# Altium PCB waffling60-MXHS-ANSI.PcbDoc (part 3 of 3)
Units mm, origin at the board's own origin, x right, y up, seen from the top; angles counter-clockwise.
Board outline 284.73 x 94.2 mm, 2 copper layers (Component Side, Bottom Layer), stack 1.571 mm thick; 191 components, 129 nets, 1572 pads, 212 vias.
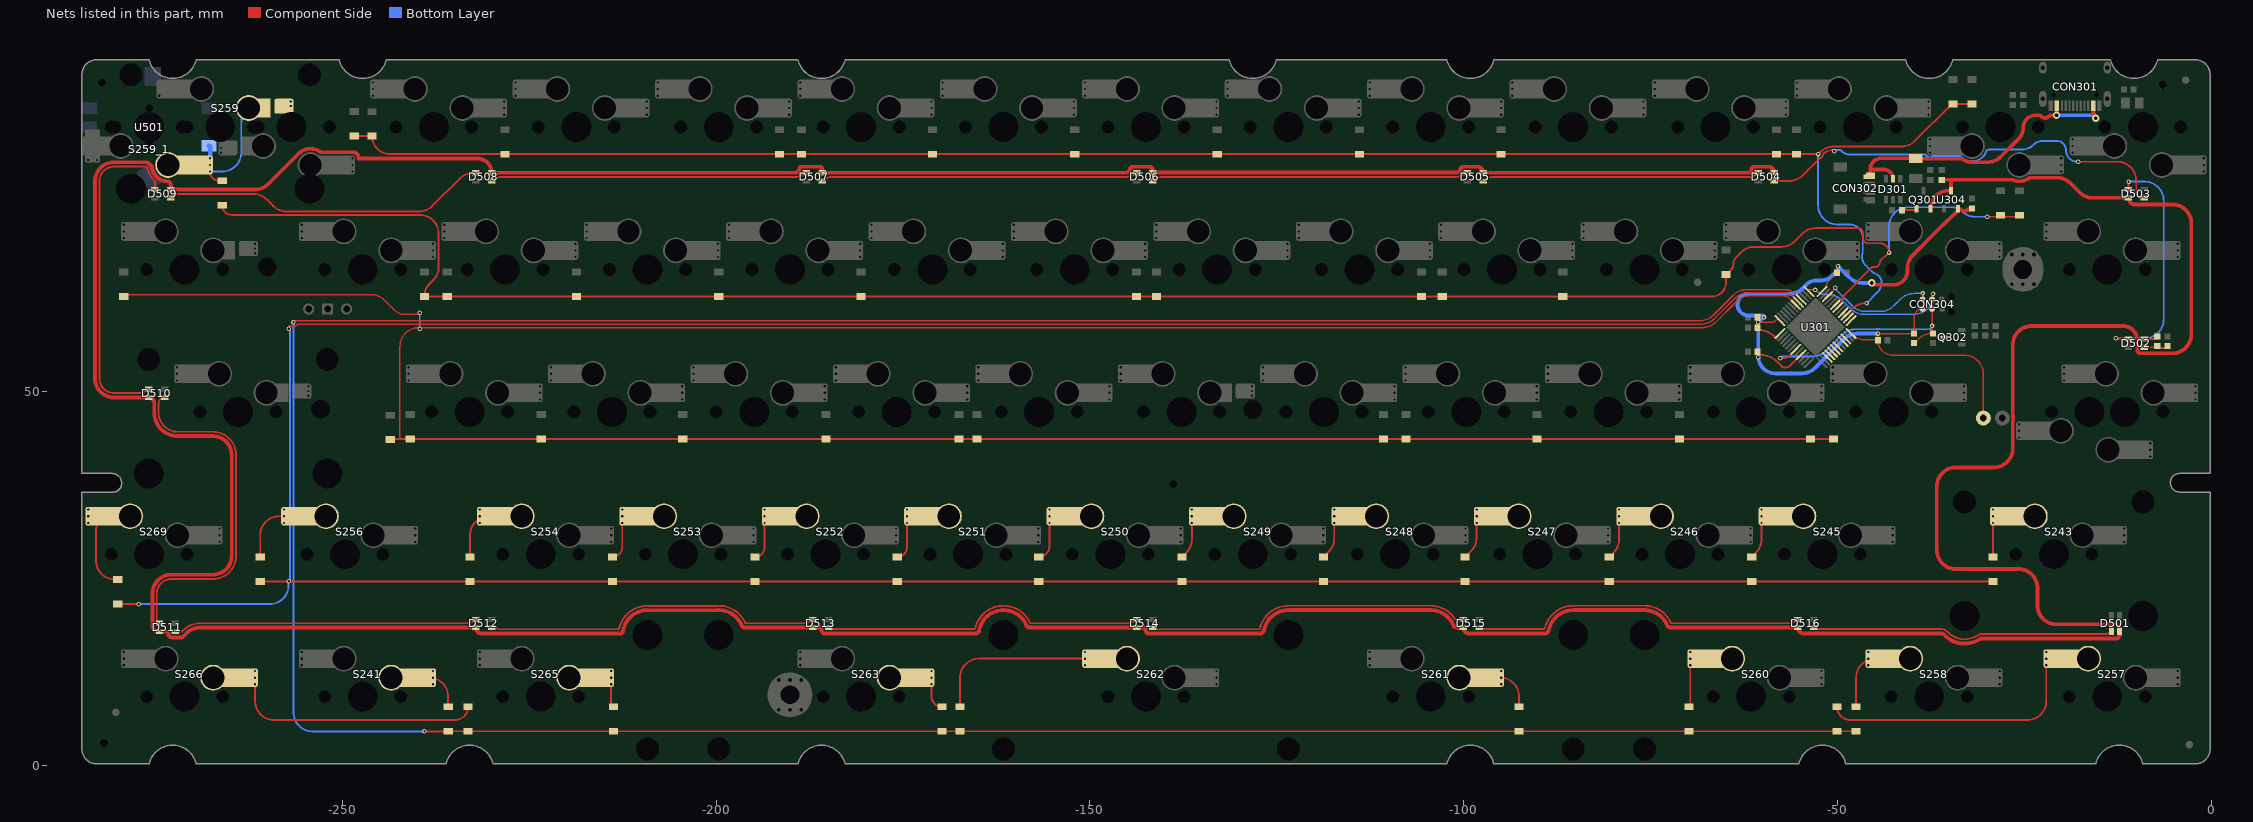
[diagram p3: the nets of this part, all layers, seen from the top]

## Via types
v1: diameter 0.6, hole 0.3, Component Side to Bottom Layer, tented both sides, 182 vias
v2: diameter 0.6, hole 0.3, Component Side to Bottom Layer, tented bottom, 25 vias
v3: diameter 1, hole 0.5, Component Side to Bottom Layer, tented both sides, 5 vias

## Nets (pads, with @x,y where several pads share a name; then routed paths per layer and width w, separated by ;. In a path a pad name is that pad's centre, name@x,y a point inside that pad or via, vN(x,y) a via of type N, cw(c..) or ccw(c..) an arc to the next point about the centre after c; other vN are vias at no path point) (continued)
NetD243_1: D243.1 S243.1 | length 6.3
  Component Side w0.254: D243.1@-29.206,27.9 S243.1@-29.206,32.456
  Bottom Layer w0.6: S243.1@-29.206,32.456 S243.1@-29.206,33.345 S243.1@-29.206,34.234
NetD245_1: D245.1 S245.1 | length 6.8
  Component Side w0.254: D245.1@-61.468,27.9 -60.906,28.462 ccw(c-62.702,30.258) -60.162,30.258 S245.1@-60.162,32.456
  Bottom Layer w0.6: S245.1@-60.162,32.456 S245.1@-60.162,33.345 S245.1@-60.162,34.234
NetD246_1: D246.1 S246.1 | length 6.8
  Component Side w0.254: D246.1@-80.518,27.9 -79.956,28.462 ccw(c-81.752,30.258) -79.212,30.258 S246.1@-79.212,32.456
  Bottom Layer w0.6: S246.1@-79.212,32.456 S246.1@-79.212,33.345 S246.1@-79.212,34.234
NetD247_1: D247.1 S247.1 | length 6.9
  Component Side w0.254: D247.1@-99.822,27.9 -99.006,28.716 ccw(c-100.802,30.512) -98.262,30.512 S247.1@-98.262,32.456
  Bottom Layer w0.6: S247.1@-98.262,32.456 S247.1@-98.262,33.345 S247.1@-98.262,34.234
NetD248_1: D248.1 S248.1 | length 6.8
  Component Side w0.254: D248.1@-118.745,27.9 -118.056,28.589 ccw(c-119.852,30.385) -117.312,30.385 S248.1@-117.312,32.456
  Bottom Layer w0.6: S248.1@-117.312,32.456 S248.1@-117.312,33.345 S248.1@-117.312,34.234
NetD249_1: D249.1 S249.1 | length 6.8
  Component Side w0.254: D249.1@-137.668,27.9 -137.106,28.462 ccw(c-138.902,30.258) -136.362,30.258 S249.1@-136.362,32.456
  Bottom Layer w0.6: S249.1@-136.362,32.456 S249.1@-136.362,33.345 S249.1@-136.362,34.234
NetD250_1: D250.1 S250.1 | length 7.9
  Component Side w0.254: D250.1@-156.845,27.9 ccw(c-156.845,29.333) -155.412,29.333 S250.1@-155.412,32.456 ; S250.1@-154.305,33.345 S250.1@-153.552,33.345
  Bottom Layer w0.6: S250.1@-155.412,32.456 S250.1@-155.412,33.345 S250.1@-155.412,34.234
NetD251_1: D251.1 S251.1 | length 7.7
  Component Side w0.254: D251.1@-175.768,27.9 ccw(c-175.768,29.206) -174.462,29.206 S251.1@-174.462,32.456 ; S251.1@-173.228,33.345 S251.1@-172.602,33.345
  Bottom Layer w0.6: S251.1@-174.462,32.456 S251.1@-174.462,33.345 S251.1@-174.462,34.234
NetD252_1: D252.1 S252.1 | length 7.7
  Component Side w0.254: D252.1@-194.818,27.9 ccw(c-194.818,29.206) -193.512,29.206 S252.1@-193.512,32.456 ; S252.1@-192.278,33.345 S252.1@-191.652,33.345
  Bottom Layer w0.6: S252.1@-193.512,32.456 S252.1@-193.512,33.345 S252.1@-193.512,34.234
NetD253_1: D253.1 S253.1 | length 7.7
  Component Side w0.254: D253.1@-213.868,27.9 ccw(c-213.868,29.206) -212.562,29.206 S253.1@-212.562,32.456 ; S253.1@-211.328,33.345 S253.1@-210.702,33.345
  Bottom Layer w0.6: S253.1@-212.562,32.456 S253.1@-212.562,33.345 S253.1@-212.562,34.234
NetD254_1: D254.1 S254.1 | length 9.3
  Component Side w0.254: D254.1@-232.918,27.9 -232.918,30.805 cw(c-230.378,30.805) -230.378,33.345 S254.1@-229.752,33.345
  Bottom Layer w0.6: S254.1@-231.612,32.456 S254.1@-231.612,33.345 S254.1@-231.612,34.234
NetD255_1: D255.1 S256.1 | length 11.2
  Component Side w0.254: D255.1@-260.985,27.9 -260.985,30.805 cw(c-258.445,30.805) -258.445,33.345 S256.1@-255.945,33.345
  Bottom Layer w0.6: S256.1@-257.805,32.456 S256.1@-257.805,33.345 S256.1@-257.805,34.234
NetD256_1: D256.1 S269.1 | length 11.9
  Component Side w0.254: S269.1@-282.14,33.345 -282.212,33.273 ccw(c-280.416,31.477) -282.956,31.477 -282.956,27.432 ccw(c-280.416,27.432) D256.1@-280.416,24.892
  Bottom Layer w0.6: S269.1@-284,32.456 S269.1@-284,33.345 S269.1@-284,34.234
NetD257_1: D257.1 S257.2 | length 37
  Component Side w0.254: D257.1@-50.038,7.85 ccw(c-48.284,7.85) -48.284,6.096 -24.602,6.096 ccw(c-24.602,8.636) -22.062,8.636 S257.2@-22.062,13.406
  Bottom Layer w0.6: S257.2@-22.062,13.406 S257.2@-22.062,14.295 S257.2@-22.062,15.184
NetD258_1: D258.1 S258.1 | length 10.6
  Component Side w0.254: D258.1@-47.498,7.85 -47.498,11.755 cw(c-44.958,11.755) -44.958,14.295 S258.1@-44.014,14.295
  Bottom Layer w0.6: S258.1@-45.874,13.406 S258.1@-45.874,14.295 S258.1@-45.874,15.184
NetD260_1: D260.1 S260.1 | length 7.4
  Component Side w0.203: D260.1@-69.85,7.85 ccw(c-69.85,8.013) -69.687,8.013 -69.687,12.115 S260.1@-69.687,13.406
  Bottom Layer w0.6: S260.1@-69.687,13.406 S260.1@-69.687,14.295 S260.1@-69.687,15.184
NetD261_1: D261.1 S261.1 | length 8.8
  Component Side w0.254: S261.1@-96.839,11.755 -95.123,11.755 cw(c-95.123,9.215) -92.583,9.215 D261.1@-92.583,7.85
  Bottom Layer w0.6: S261.1@-94.979,10.866 S261.1@-94.979,11.755 S261.1@-94.979,12.644
NetD262_1: D262.1 S262.2 | length 25.7
  Component Side w0.254: D262.1@-167.386,7.858 -167.386,11.755 cw(c-164.846,11.755) -164.846,14.295 S262.2@-148.789,14.295
  Bottom Layer w0.6: S262.2@-150.649,13.406 S262.2@-150.649,14.295 S262.2@-150.649,15.184
NetD263_1: D263.1 S263.1 | length 6.3
  Component Side w0.254: S263.1@-173.039,11.755 S263.1@-172.339,11.755 ; S263.1@-171.179,10.866 -171.179,9.23 ccw(c-169.799,9.23) D263.1@-169.799,7.85
  Bottom Layer w0.6: S263.1@-171.179,10.866 S263.1@-171.179,11.755 S263.1@-171.179,12.644
NetD264_1: D264.1 S265.1 | length 5
  Component Side w0.254: S265.1@-214.042,10.866 -214.042,9.741 -214.042,8.151 ccw(c-213.741,8.151) D264.1@-213.741,7.85
  Bottom Layer w0.6: S265.1@-214.042,10.866 S265.1@-214.042,11.755 S265.1@-214.042,12.644
NetD265_1: D265.1 S241.2 | length 8.5
  Component Side w0.254: S241.2@-239.714,11.755 -238.379,11.755 cw(c-238.379,9.215) -235.839,9.215 D265.1@-235.839,7.85
  Bottom Layer w0.6: S241.2@-237.854,10.866 S241.2@-237.854,11.755 S241.2@-237.854,12.644
NetD266_1: D266.1 S266.1 | length 35
  Component Side w0.254: S266.1@-261.667,10.866 -261.667,8.636 ccw(c-259.127,8.636) -259.127,6.096 -234.926,6.096 ccw(c-234.926,7.85) D266.1@-233.172,7.85
  Bottom Layer w0.6: S266.1@-261.667,10.866 S266.1@-261.667,11.755 S266.1@-261.667,12.644
NetD501_4: D501.4 D516.2 | length 40.5
  Component Side w0.254: D516.2@-53.158,18.45 ccw(c-51.54,20.068) -52.899,18.227 -52.676,18.227 cw(c-52.525,17.666) -52.523,18.247 -36.092,18.247 ; -36.091,18.247 cw(c-36.092,17.158) -35.293,17.899 cw(c-35.719,17.503) -35.292,17.897 ; -35.291,17.897 cw(c-36.092,17.158) -35.291,17.896 ccw(c-32.994,20.01) -33.117,16.891 -32.872,16.891 ccw(c-32.994,20.01) -31.28,17.401 cw(c-30.679,16.493) -30.683,17.582 cw(c-30.681,17.001) -30.681,17.582 -14.208,17.582 ccw(c-14.208,18.787) D501.4@-13.356,17.935
NetD502_2: D502.2 D503.4 | length 32.7
  Component Side w0.254: v1@-12.827,57.023 cw(c-12.762,56.958) -12.762,57.05 D502.2@-11.071,57.05 ; D503.4@-11.071,77.05 -11.071,78.083 v1(-11.049,78.105)
  Bottom Layer w0.254: v1(-12.771,57.15) -8.89,57.15 ccw(c-8.89,59.69) -6.35,59.69 -6.35,75.565 ccw(c-8.89,75.565) -8.89,78.105 v1(-11.049,78.105)
NetD502_4: D502.4 R306.2 R308.1 | length 3.1
  Component Side w0.254: D502.4@-8.941,55.95 -7.324,55.95 cw(c-7.324,55.865) -7.239,55.865 R308.1@-5.842,55.865
NetD503_2: D503.2 D504.4 | length 59.9
  Component Side w0.254: D504.4@-58.441,78.2 -56.456,78.2 ccw(c-56.456,80.74) -54.66,78.944 -52.424,81.18 ccw(c-52.578,81.788) -51.951,81.772 cw(c-50.51,80.264) v1@-50.51,82.35 ; v1@-18.034,80.772 v1(-17.78,80.772) -12.573,80.772 cw(c-12.573,78.232) -10.033,78.232 -10.033,76.581 ccw(c-9.402,76.581) -9.402,75.95 D503.2@-8.941,75.95
  Bottom Layer w0.254: v1@-50.339,82.343 -49.596,82.343 ; -32,80.823 ccw(c-32.01,82.875) -31.533,80.879 ; v1(-17.78,80.772) -17.907,80.772 cw(c-17.907,82.296) -19.431,82.296 ccw(c-20.701,82.296) -20.701,83.566 -22.523,83.566 ccw(c-22.523,81.832) -23.749,83.058 cw(c-25.369,84.678) -25.369,82.387 -25.647,82.387 ccw(c-25.66,80.335) -25.673,82.387 -29.595,82.387 ccw(c-29.595,80.776) -30.033,82.326 cw(c-32.01,82.875) -30.457,81.534 cw(c-32.01,82.875) -31.533,80.879 ; -49.596,82.343 cw(c-50.682,81.017) -49.529,82.285 ; -49.596,82.343 cw(c-50.682,81.017) -49.529,82.285 ; -49.529,82.285 cw(c-50.682,81.017) -49.471,82.23 ; -49.529,82.285 cw(c-50.682,81.017) -49.471,82.23 ; -49.471,82.23 ccw(c-48.229,83.47) -49.469,82.228 cw(c-48.229,83.47) -49.471,82.23 ; -49.289,82.071 cw(c-48.229,83.47) -49.469,82.228 ccw(c-48.229,83.47) -49.289,82.071 ; -49.289,82.071 ccw(c-48.229,83.47) -48.961,81.875 ; -49.289,82.071 ccw(c-48.229,83.47) -48.961,81.875 ; -48.961,81.875 ccw(c-48.229,83.47) -48.463,81.731 ; -48.961,81.875 ccw(c-48.229,83.47) -48.463,81.731 ; -48.463,81.731 ccw(c-48.229,83.47) -48.229,81.715 ; -48.463,81.731 ccw(c-48.229,83.47) -48.229,81.715 ; -48.229,81.715 -38.23,81.715 cw(c-38.23,81.531) -38.182,81.709 ccw(c-37.62,81.986) -37.209,81.512 ccw(c-37.62,81.986) -37.185,81.534 -33.563,81.534 ccw(c-32.01,82.875) -32.794,80.979 ccw(c-32.01,82.875) -32.283,80.841 ccw(c-32.01,82.875) -32.056,80.824 ccw(c-32.01,82.875) -31.533,80.879
  other v1: -50.419,82.169
NetD504_2: D504.2 D505.4 | length 37.1
  Component Side w0.254: D505.4@-97.374,78.222 ccw(c-96.833,78.2) D505.4@-97.374,78.2 cw(c-96.121,76.947) -96.121,78.719 -61.974,78.719 ccw(c-61.974,80.703) D504.2@-60.571,79.3
NetD505_2: D505.2 D506.4 | length 42.6
  Component Side w0.254: D506.4@-141.591,78.222 cw(c-140.338,76.969) -140.338,78.741 -100.995,78.741 ccw(c-100.995,79.969) -100.625,78.798 ccw(c-100.953,79.837) -100.06,79.213 cw(c-99.852,79.068) -99.85,79.322 -99.505,79.322 cw(c-100.605,79.322) D505.2@-99.527,79.102
NetD506_2: D506.2 D507.4 | length 42.4
  Component Side w0.254: D507.4@-185.808,78.2 cw(c-184.555,76.947) -184.555,78.719 -145.242,78.719 -145.17,78.719 ccw(c-145.17,79.808) -145.168,78.719 ccw(c-145.17,79.808) -144.207,79.3 D506.2@-143.721,79.3
NetD507_2: D507.2 D508.4 | length 43
  Component Side w0.254: D508.4@-229.774,78.43 ccw(c-228.178,76.454) -229.974,78.25 -230.023,78.201 cw(c-228.771,76.947) -228.771,78.719 -189.428,78.719 ccw(c-189.428,79.947) -189.058,78.776 ccw(c-189.386,79.815) -188.426,79.3 D507.2@-187.938,79.3 cw(c-189.038,79.322) D507.2@-187.96,79.102
NetD508_2: D508.2 D509.4 | length 44
  Component Side w0.254: D509.4@-272.538,75.95 D509.4@-272.935,75.95 cw(c-271.682,74.697) -272.156,76.404 cw(c-271.682,74.697) -271.682,76.469 -261.925,76.469 cw(c-261.925,73.929) -260.129,75.725 -259.262,74.858 ccw(c-257.466,76.654) -257.466,74.114 -239.739,74.114 ccw(c-239.739,76.654) -237.943,74.858 -234.245,78.556 cw(c-232.449,76.76) -232.449,79.3 D508.2@-232.154,79.3
NetD509_2: D509.2 D510.4 | length 45.2
  Component Side w0.254: D510.4@-275.899,50.334 -276.31,50.334 ccw(c-276.31,50.165) -276.479,50.165 cw(c-276.829,50.165) -276.829,49.815 -280.543,49.815 cw(c-280.543,51.774) -282.502,51.774 -282.502,78.16 cw(c-280.543,78.16) -282.16,79.265 cw(c-280.543,78.16) -281.953,79.519 cw(c-280.543,78.16) -281.777,79.682 cw(c-280.543,78.16) -281.652,79.775 cw(c-280.543,78.16) -281.21,80.002 cw(c-280.543,78.16) -281.176,80.014 cw(c-280.543,78.16) -280.956,80.075 cw(c-280.543,78.16) -280.742,80.109 cw(c-280.543,78.16) -280.543,80.119 -279.806,80.119 ccw(c-279.66,82.875) -279.514,80.119 -276.469,80.119 cw(c-276.469,79.587) -276.293,80.089 cw(c-276.469,79.587) -276.161,80.02 cw(c-276.469,79.587) -276.056,79.922 cw(c-276.469,79.587) -276.034,79.893 ccw(c-273.31,80.335) -275.804,79.153 ccw(c-273.31,80.335) -275.705,78.964 ccw(c-273.31,80.335) -275.565,78.743 ; -275.565,78.743 ccw(c-273.31,80.335) -275.289,78.412 ccw(c-273.31,80.335) -275.216,78.339 ccw(c-273.31,80.335) -275.145,78.273 ccw(c-273.31,80.335) -275.076,78.214 ccw(c-273.31,80.335) -275.065,78.205 D509.2@-275.065,77.05
NetD510_2: D510.2 D511.4 | length 47.2
  Component Side w0.254: D511.4@-274.456,19.035 cw(c-274.456,19.408) -274.829,19.408 -274.829,22.986 cw(c-272.415,22.986) -274.829,22.996 cw(c-272.87,22.987) -272.87,24.946 -267.335,24.946 ccw(c-267.335,28.067) -264.214,28.067 -264.214,41.529 ccw(c-267.335,41.529) -267.335,44.65 -272.034,44.65 cw(c-272.034,47.19) -274.574,47.19 -274.574,48.429 cw(c-273.769,48.429) D510.2@-273.769,49.234
NetD511_2: D511.2 D512.4 | length 40.6
  Component Side w0.254: D511.2@-272.326,17.935 -271.431,17.935 -271.248,18.117 ; -271.248,18.118 cw(c-269.042,15.91) -269.042,19.031 -233.407,19.031 ccw(c-233.407,20.803) D512.4@-232.154,19.55
NetD512_2: D512.2 D513.4 | length 45.6
  Component Side w0.254: D512.2@-230.024,18.45 cw(c-230.024,16.323) -229.076,18.227 -213.126,18.227 ccw(c-213.126,18.435) -212.99,18.278 cw(c-209.174,17.47) -212.794,18.923 cw(c-209.174,17.47) -211.891,20.269 cw(c-209.174,17.47) -208.982,21.365 -199.842,21.365 cw(c-199.649,17.47) -199.649,21.37 cw(c-199.649,17.47) -196.075,19.031 -188.324,19.031 ccw(c-188.324,20.803) D513.4@-187.071,19.55
NetD513_2: D513.2 D514.4 | length 45.5
  Component Side w0.254: D513.2@-184.941,18.45 ccw(c-184.243,19.148) -184.711,18.279 -184.711,18.227 -184.459,18.227 cw(c-184.308,17.666) -184.306,18.247 -165.371,18.247 cw(c-161.549,17.47) -165.26,18.669 ; -164.496,20.025 ccw(c-161.549,17.47) -165.26,18.669 ; D514.4@-143.721,19.55 cw(c-144.974,20.803) -144.974,19.031 -157.975,19.031 ccw(c-161.549,17.47) -165.26,18.669
NetD514_2: D514.2 D515.4 | length 43.9
  Component Side w0.254: D514.2@-141.422,18.45 D514.2@-141.591,18.45 ccw(c-141.053,18.988) -141.053,18.227 -127.36,18.227 cw(c-127.209,17.666) -127.272,18.244 cw(c-123.449,17.47) -125.969,20.447 cw(c-123.449,17.47) -123.44,21.37 -104.44,21.37 ; D515.4@-100.071,19.55 -101.132,19.55 ccw(c-104.431,17.47) -104.28,21.367 ccw(c-104.301,20.787) -104.282,21.367 -104.303,21.368 -104.328,21.369 ccw(c-104.376,20.281) -104.376,21.37 -104.422,21.37 ; -104.44,21.37 cw(c-104.431,17.47) -104.422,21.37 ; -104.44,21.37 -104.422,21.37
NetD515_2: D515.2 D516.4 | length 45.3
  Component Side w0.254: D515.2@-97.941,18.45 cw(c-97.941,17.25) -97.273,18.247 -89.172,18.247 cw(c-85.349,17.47) -87.869,20.447 cw(c-85.349,17.47) -85.326,21.37 -83.82,21.37 -82.217,21.37 -80.614,21.37 cw(c-80.589,17.47) -80.566,21.37 -75.848,21.37 cw(c-75.824,17.47) -75.8,21.37 -75.752,21.37 cw(c-75.75,20.789) -75.75,21.37 cw(c-75.75,19.288) -75.744,21.37 cw(c-75.75,19.288) -75.574,21.363 -75.533,21.359 cw(c-75.824,17.47) -75.462,21.353 -75.42,21.35 ; -75.419,21.349 cw(c-75.603,19.276) -75.281,21.333 -75.23,21.325 cw(c-75.824,17.47) -72.25,19.031 -56.541,19.031 ccw(c-56.541,20.803) D516.4@-55.288,19.55
NetQ301_1: Q301.1 R307.1 | length 2.1
  Component Side w0.254: R307.1@-41.387,74.295 -39.628,74.295 ccw(c-39.628,74.492) Q301.1@-39.431,74.492
NRST: C310.1 CON304.3 Q302.3 R303.2 U301.7 | length 32.7
  Component Side w0.203: R303.2@-39.751,56.5 -39.726,56.5 -39.17,57.056 cw(c-37.374,55.26) -37.763,57.77 ; CON304.3@-37.338,61.087 v1(-37.338,58.801) -37.338,57.927 C310.1@-37.211,57.8 ; C310.1@-37.211,57.77 -37.763,57.77 ; Q302.3@-35.744,57.277 -35.948,57.277 cw(c-35.948,59.063) -37.18,57.77 cw(c-35.948,59.063) C310.1@-37.211,57.8 ; -37.763,57.77 cw(c-37.374,55.26) -37.374,57.8 C310.1@-37.211,57.8
  Component Side w0.254: v1(-57.658,54.483) -57.268,54.483 ccw(c-57.268,55.744) -56.376,54.852 U301.7@-55.743,55.486
  Bottom Layer w0.254: v1(-57.658,54.483) -57.404,54.737 -53.303,54.737 ccw(c-53.303,57.277) -51.507,55.481 -49.37,57.618 cw(c-47.574,55.822) -47.574,58.362 -44.868,58.362 ccw(c-44.87,58.616) -44.786,58.376 cw(c-44.577,57.785) -44.577,58.412 cw(c-44.577,57.785) -44.374,58.378 ccw(c-44.293,58.619) -44.294,58.365 -43.218,58.365 cw(c-43.218,58.111) -43.18,58.362 -37.777,58.362 ccw(c-37.777,58.801) v1(-37.338,58.801)
PA5: U301.15
PA6: U301.16
PA7: U301.17
PA9: D215.2 D216.2 D217.2 D218.2 D219.2 D220.2 D221.2 D222.2 D223.2 D224.2 D225.2 D226.2 D227.2 D228.2 U301.30 | length 276
  Component Side w0.254: D228.2@-266.065,74.946 ccw(c-264.779,74.946) -264.779,73.66 -239.649,73.66 cw(c-239.649,71.12) -237.109,71.12 -237.109,66.726 cw(c-239.649,66.726) -237.853,64.93 -238.076,64.708 cw(c-240.03,66.33) -238.234,64.534 -238.379,64.389 ccw(c-236.846,62.856) -238.38,64.388 ccw(c-236.846,62.856) -239.014,62.856 D227.2@-239.014,62.754 D226.2@-235.966,62.754 ; D226.2@-235.966,62.73 D225.2@-218.694,62.73 D224.2@-199.644,62.73 D223.2@-180.594,62.73 D222.2@-143.764,62.73 D221.2@-141.097,62.73 D220.2@-105.664,62.73 D219.2@-102.87,62.73 D218.2@-86.741,62.73 -66.813,62.73 ccw(c-66.813,64.646) -65.459,63.29 ccw(c-66.813,64.646) -65.458,63.291 ccw(c-66.813,64.646) -65.457,63.292 ccw(c-66.813,64.646) -64.897,64.646 D217.2@-64.897,65.675 -64.414,66.003 -64.525,66.003 cw(c-64.29,65.907) -64.471,66.085 -64.237,66.319 ccw(c-64.981,67.063) -63.929,67.063 cw(c-62.598,67.063) -63.539,68.004 -62.897,68.646 cw(c-61.101,66.85) -61.101,69.39 -57.52,69.39 ccw(c-57.52,71.93) -55.723,70.134 -54.719,71.138 cw(c-52.923,69.342) -52.923,71.882 -47.296,71.882 cw(c-47.296,71.163) -46.577,71.163 -46.577,70.508 ccw(c-45.938,70.508) -46.522,70.248 ccw(c-45.938,70.508) -46.401,70.067 ; U301.30@-49.365,61.853 -49.321,61.947 cw(c-49.091,61.84) -49.308,61.972 ccw(c-49.715,62.221) -49.28,62.416 cw(c-49.047,62.519) -49.301,62.518 -49.301,62.624 cw(c-49.047,62.624) -49.227,62.804 -45.386,66.645 cw(c-45.207,66.465) -45.136,66.709 ccw(c-44.958,67.31) -44.331,67.321 cw(c-44.077,67.324) -44.258,67.502 -43.205,68.555 cw(c-43.026,68.375) v1(-43.093,68.62) ; -46.522,70.247 ccw(c-45.938,70.508) -45.938,69.868 -44.341,69.868 cw(c-44.341,68.62) v1(-43.093,68.62) ; v1@-43.093,68.58 ccw(c-44.46,68.62) v1(-43.093,68.62) ; v1(-29.972,73.406) -25.867,73.406 D215.2@-25.654,73.619
  Bottom Layer w0.254: v1(-43.093,68.62) -43.093,72.136 cw(c-40.553,72.136) -40.553,74.676 -34.627,74.676 cw(c-34.627,72.942) -33.401,74.168 -33.383,74.15 ccw(c-31.587,75.946) -31.587,73.406 v1(-29.972,73.406)
PA10: U301.31
PB0: U301.18
PB1: U301.19
PB4: D257.2 D258.2 D260.2 D261.2 D262.2 D263.2 D264.2 D265.2 D266.2 U301.40 | length 466.3
  Component Side w0.203: v1(-256.54,59.309) cw(c-256.358,59.309) -256.358,59.491 -68.42,59.491 ccw(c-68.42,62.031) -66.623,60.235 -63.943,62.916 cw(c-62.147,61.12) -62.147,63.66 -56.98,63.66 cw(c-56.98,61.716) -55.605,63.091 U301.40@-55.036,62.522
  Component Side w0.254: v1@-239.014,4.572 v1(-239.014,4.578) D265.2@-235.837,4.578 ; D265.2@-235.839,4.58 D266.2@-233.172,4.58 D264.2@-213.741,4.58 D257.2@-50.038,4.58 D258.2@-47.498,4.58
  Bottom Layer w0.254: v1@-256.54,59.436 v1(-256.54,59.309) -256.54,7.112 ccw(c-254,7.112) -254,4.572 v1@-239.014,4.572
PB5: D243.2 D245.2 D246.2 D247.2 D248.2 D249.2 D250.2 D251.2 D252.2 D253.2 D254.2 D255.2 D256.2 U301.41 | length 494.7
  Component Side w0.203: v1(-257.167,58.42) -257.167,58.626 cw(c-256.964,58.625) -256.857,58.798 ccw(c-256.54,59.309) -256.686,58.725 ccw(c-256.602,58.911) -256.603,58.707 -256.54,58.707 ccw(c-256.54,59.309) -256.06,58.946 ccw(c-256.54,59.309) -256.054,58.955 cw(c-255.89,58.834) -256.011,58.998 cw(c-255.89,58.834) -255.891,59.037 -68.231,59.037 ccw(c-68.231,61.577) -66.435,59.781 -63.704,62.513 cw(c-61.908,60.717) -61.908,63.257 -57.249,63.257 cw(c-57.249,61.398) -55.934,62.712 U301.41@-55.389,62.168
  Component Side w0.254: D256.2@-280.035,21.606 -277.257,21.606 v1(-277.241,21.59) ; D255.2@-260.985,24.63 D254.2@-232.918,24.63 D253.2@-213.868,24.63 D252.2@-194.818,24.63 D251.2@-175.768,24.63 D250.2@-156.845,24.63 D249.2@-137.668,24.63 D248.2@-118.745,24.63 D247.2@-99.822,24.63 D246.2@-80.518,24.63 D245.2@-61.468,24.63 D243.2@-29.21,24.63
  Bottom Layer w0.254: v1(-277.241,21.59) -259.715,21.59 ccw(c-259.715,24.13) -257.175,24.13 v1(-257.175,24.638) ccw(c-257.175,24.819) -256.994,24.819 -256.994,58.179 ccw(c-257.248,58.179) v1(-257.167,58.42)
PB6: D229.2 D230.2 D231.2 D232.2 D233.2 D234.2 D235.2 D236.2 D237.2 D238.2 D239.2 D240.2 D241.2 D242.2 U301.42 | length 438.1
  Component Side w0.203: D242.2@-279.237,62.754 cw(c-278.662,62.179) -278.662,62.992 -246.162,62.992 cw(c-246.162,60.452) -244.366,62.248 -243.078,60.96 ccw(c-241.602,62.436) -241.602,60.349 -239.879,60.349 ccw(c-239.879,60.579) v1(-239.649,60.579) ; D241.2@-243.669,43.68 -242.294,43.68 ; U301.42@-55.743,61.814 -56.263,62.334 ccw(c-57.517,61.079) -57.517,62.854 -61.669,62.854 ccw(c-61.669,60.314) -63.465,62.11 -66.247,59.327 cw(c-68.043,61.123) -68.043,58.583 -239.754,58.583 ccw(c-239.754,56.043) -242.294,56.043 -242.294,43.68 ; D229.2@-50.546,43.68 D230.2@-53.594,43.68 D231.2@-71.12,43.68 D232.2@-90.17,43.68 D233.2@-107.696,43.68 D234.2@-110.744,43.68 D235.2@-165.1,43.68 D236.2@-167.513,43.68 D237.2@-185.293,43.68 D238.2@-204.47,43.68 D239.2@-223.393,43.68 D240.2@-240.919,43.68 -242.294,43.68
  Bottom Layer w0.203: v1(-239.649,58.42) v1@-239.649,60.452
PB10: U301.21
PB11: U301.22
PB12: U301.25
PB13: U301.26
PB14: D201.2 D202.2 D203.2 D204.2 D205.2 D206.2 D207.2 D208.2 D209.2 D210.2 D211.2 D212.2 D213.2 D214.2 U301.27 | length 249.9
  Component Side w0.254: D214.2@-248.412,84.217 ccw(c-248.388,84.217) -248.388,84.193 D213.2@-246.027,84.193 ccw(c-243.614,84.193) -243.614,81.78 D212.2@-228.219,81.78 D211.2@-191.516,81.78 D210.2@-188.595,81.78 D209.2@-171.069,81.78 D208.2@-152.019,81.78 D207.2@-132.969,81.78 D206.2@-113.919,81.78 D205.2@-94.996,81.78 D204.2@-58.166,81.78 D203.2@-55.499,81.78 -52.586,81.78 v1(-52.578,81.788) -52.306,82.06 cw(c-50.51,80.264) -50.51,82.804 -41.438,82.804 ccw(c-41.438,85.344) -39.642,83.548 -34.778,88.412 cw(c-34.544,88.178) D201.2@-34.544,88.509 D202.2@-32.004,88.509 ; U301.27@-48.707,60.4 -48.002,61.105 cw(c-46.206,59.309) -46.206,61.849 v1(-46.101,61.849)
  Bottom Layer w0.254: v1(-52.578,81.788) -52.578,74.93 ccw(c-50.038,74.93) -50.785,72.502 ccw(c-50.038,74.93) -50.038,72.39 -48.387,72.39 cw(c-48.387,70.612) -46.609,70.612 -46.609,68.625 cw(c-46.863,68.627) -46.63,68.526 ccw(c-45.593,68.072) -46.725,68.072 ccw(c-45.165,68.072) -46.268,66.969 -45.72,66.421 -45.211,65.912 ccw(c-45.033,66.093) -45.097,65.847 cw(c-45.421,64.556) -44.9,65.781 -44.898,65.78 cw(c-45.421,64.556) -44.269,65.224 -44.268,65.222 cw(c-45.421,64.556) -44.176,64.084 ; v1(-46.101,61.849) -44.646,63.304 ccw(c-45.984,64.641) -44.18,64.072 cw(c-43.938,63.994) -44.176,64.082 cw(c-43.938,63.994) -44.176,64.084 ; -44.092,64.641 cw(c-45.421,64.556) -44.176,64.084
PB15: U301.28
RAW: CON301.A4B9 CON301.B4A9 CON302.1 D301.5 F301.2 | length 42.8
  Component Side w0.5: CON302.1@-45.625,78.75 -45.625,79.738 ; D301.5@-42.545,78.464 ccw(c-43.819,78.464) -43.819,79.738 -45.625,79.738 ; -23.622,86.995 -23.11,86.995 cw(c-23.112,86.495) -22.758,86.848 ccw(c-22.225,87.376) -21.692,86.848 cw(c-21.338,86.495) -21.34,86.995 v3@-20.701,86.995 ; -23.499,86.991 ccw(c-23.499,85.344) -25.146,85.344 cw(c-27.292,85.344) -25.775,83.826 -28.152,81.449 cw(c-29.948,83.245) -29.948,80.705 -31.864,80.705 cw(c-32.01,82.875) -33.248,81.087 ccw(c-33.532,80.675) -33.53,81.175 -35.754,81.175 cw(c-35.758,81.938) -35.758,81.175 -39.357,81.175 cw(c-39.357,81.373) F301.2@-39.497,81.233 -44.13,81.233 ccw(c-44.13,79.738) -45.625,79.738 ; v3(-20.697,86.991) -20.697,86.995 v3@-20.701,86.995 ; CON301.B4A9@-20.65,88.25 -20.674,88.226 -20.674,87.222 -20.774,87.122 -20.828,87.122 v3@-20.701,86.995 ; CON301.A4B9@-15.75,88.25 -15.75,87.276 ccw(c-14.758,87.276) v3(-15.46,86.575)
  Bottom Layer w0.5: v3(-20.697,86.991) -15.876,86.991 cw(c-15.876,86.575) v3(-15.46,86.575)
ROT_SW_A2: D228.1 S259.2 S259_1.1 U501.1 | length 18.4
  Component Side w0.254: S259_1.1@-267.7,79.446 ccw(c-266.47,79.446) -266.47,78.216 D228.1@-266.065,78.216
  Bottom Layer w0.254: S259_1.1@-267.7,79.446 -266.065,79.446 ccw(c-266.065,81.986) -263.525,81.986 -263.525,85.893 cw(c-260.985,85.893) -262.781,87.689 S259.2@-262.515,87.955
  Bottom Layer w0.6: U501.1@-267.85,82.915 cw(c-267.85,82.765) -267.7,82.765 S259_1.1@-267.7,81.224 S259_1.1@-267.7,80.335 S259_1.1@-267.7,79.446 ; S259.2@-256.905,88.21 S259.2@-256.905,88.844
SWCLK: CON304.4 U301.37 | length 20.3
  Component Side w0.203: U301.37@-53.975,63.582 -53.975,63.627 v1(-52.959,63.627) ; CON304.4@-37.338,62.357 -37.274,62.42 -37.274,63.055 v1(-37.211,63.119)
  Bottom Layer w0.203: v1(-52.959,63.627) ccw(c-51.48,65.106) -51.48,63.014 -51.342,63.014 cw(c-51.342,60.071) -49.26,62.152 -48.863,61.754 -48.199,61.091 ccw(c-46.403,62.887) -46.403,60.347 -39.751,60.347 ccw(c-39.751,62.887) -37.211,62.887 v1(-37.211,63.119)
SWDIO: CON304.2 U301.34 | length 16
  Component Side w0.203: U301.34@-51.182,62.875 -51.182,62.901 -50.495,63.588 -50.495,63.604 -50.29,63.809 v1(-50.29,63.916) ; CON304.2@-38.608,62.357 v1(-38.609,63.152)
  Bottom Layer w0.203: v1(-50.29,63.916) -50.29,63.809 -50.148,63.666 -50.148,63.61 -48.032,61.494 ccw(c-46.236,63.29) -46.236,60.75 -44.25,60.75 ccw(c-44.25,63.29) -42.454,61.494 -41.54,62.408 cw(c-39.744,60.612) -41.42,62.521 cw(c-39.744,60.612) -39.744,63.152 v1(-38.609,63.152)
VCC: C307.2 D501.1 D502.1 D503.1 D504.1 D505.1 D506.1 D507.1 D508.1 D509.1 D510.1 D511.1 D512.1 D513.1 D514.1 D515.1 D516.1 Q301.2 R306.1 U304.3 | length 760.9
  Component Side w0.254: D502.1@-8.941,57.05 -7.354,57.05 ccw(c-7.354,57.165) R306.1@-7.239,57.165
  Component Side w0.5: Q301.2@-37.531,74.492 cw(c-35.131,74.492) -35.131,76.892 U304.3@-34.798,76.892 -34.798,78.344 ; C307.2@-36.068,78.344 -34.798,78.344 ; -26.092,78.203 ccw(c-25.66,80.335) -25.71,78.161 ; D503.1@-11.071,75.95 -15.843,75.95 cw(c-15.843,78.49) -17.639,76.694 -18.836,77.891 ccw(c-20.632,76.095) -20.632,78.635 -22.225,78.635 -24.303,78.635 cw(c-25.66,80.335) -24.784,78.344 cw(c-25.66,80.335) -24.993,78.265 cw(c-25.66,80.335) -25.147,78.221 cw(c-25.66,80.335) -25.31,78.188 cw(c-25.66,80.335) -25.493,78.166 cw(c-25.66,80.335) -25.652,78.16 cw(c-25.66,80.335) -25.667,78.16 -25.709,78.16 ; -34.798,78.344 -26.536,78.344 ccw(c-25.66,80.335) -25.71,78.161
  Component Side w0.508: D508.1@-230.018,79.306 D508.1@-230.024,79.3 ; -199.842,20.784 cw(c-199.649,17.47) -199.817,20.785 ; -188.885,79.727 cw(c-189.386,79.815) -189.232,79.33 cw(c-189.428,79.947) -189.428,79.3 D508.1@-230.024,79.3 ; -188.885,79.728 cw(c-188.438,79.65) -188.782,79.947 cw(c-188.624,79.947) -188.624,80.104 -186.158,80.104 cw(c-186.158,79.768) -185.822,79.768 -185.822,79.3 D507.1@-185.808,79.3 -145.242,79.3 -145.17,79.3 ccw(c-145.17,79.808) -144.669,79.725 cw(c-144.221,79.65) -144.221,80.104 -142.028,80.104 cw(c-142.028,79.667) -141.591,79.667 ; -164.812,18.077 cw(c-165.312,18.17) -165.252,17.666 -184.308,17.666 cw(c-184.441,18.1) -184.441,17.646 -185.629,17.646 -185.763,17.78 cw(c-185.441,18.1) -185.895,18.1 -185.895,18.45 D513.1@-187.071,18.45 -196.125,18.45 cw(c-196.123,18.958) -196.59,18.759 ccw(c-199.649,17.47) -196.675,18.943 ccw(c-199.649,17.47) -199.649,20.789 ; -164.802,18.127 cw(c-161.549,17.47) -158.926,19.504 ; -161.549,20.789 cw(c-161.549,17.47) -158.575,18.943 cw(c-161.549,17.47) -158.49,18.759 ccw(c-158.023,18.958) -158.025,18.45 D514.1@-143.721,18.45 -142.631,18.45 cw(c-142.631,17.897) -142.545,18.443 -142.545,18.1 ccw(c-142.091,18.1) -142.091,17.646 -127.258,17.646 ccw(c-127.258,17.714) -127.209,17.666 ccw(c-127.211,18.174) -126.712,18.079 cw(c-123.449,17.47) -123.669,20.782 cw(c-123.449,17.47) -123.441,20.789 -104.439,20.789 cw(c-104.431,17.47) -104.423,20.789 -104.376,20.789 cw(c-104.376,20.281) -104.355,20.789 -104.327,20.788 ccw(c-104.306,21.295) -104.324,20.787 -104.301,20.787 cw(c-104.431,17.47) -104.121,20.775 cw(c-104.431,17.47) -102.183,19.912 ; D506.1@-141.591,79.3 cw(c-141.538,79.247) -141.538,79.322 -100.995,79.322 ccw(c-100.995,79.969) -100.801,79.352 ; -102.59,20.232 cw(c-104.431,17.47) -101.372,18.759 ccw(c-100.905,18.958) -100.907,18.45 D515.1@-100.071,18.45 ccw(c-99.287,18.45) -99.287,17.666 -98.574,17.666 ccw(c-98.441,18.1) -98.441,17.646 -97.441,17.646 ccw(c-97.441,18.1) -97.308,17.666 -89.109,17.666 ccw(c-89.111,18.174) -88.612,18.08 cw(c-85.349,17.47) -88.061,19.384 cw(c-85.349,17.47) -87.409,20.073 cw(c-85.349,17.47) -85.328,20.789 -83.82,20.789 -80.612,20.789 cw(c-80.589,17.47) -80.567,20.789 -75.847,20.789 cw(c-75.824,17.47) -75.802,20.789 -75.75,20.789 cw(c-75.75,19.288) -75.623,20.784 -75.579,20.78 cw(c-75.824,17.47) -75.516,20.775 -75.47,20.771 cw(c-75.603,19.276) -75.372,20.759 -75.317,20.75 cw(c-75.824,17.47) -72.766,18.759 ccw(c-72.298,18.958) -72.3,18.45 D516.1@-55.288,18.45 ccw(c-54.504,18.45) -54.504,17.666 -53.791,17.666 ccw(c-53.658,18.1) -53.658,17.646 -52.658,17.646 ccw(c-52.658,18.1) -52.525,17.666 -36.09,17.666 cw(c-36.092,17.158) -35.719,17.503 ccw(c-32.994,20.01) -31.989,16.447 ; -100.799,79.353 ccw(c-100.953,79.837) -100.537,79.545 cw(c-99.852,79.068) -100.458,79.642 -100.458,79.65 cw(c-100.004,79.65) -100.004,80.104 -98.178,80.104 cw(c-98.178,79.3) D505.1@-97.374,79.3 -61.974,79.3 ccw(c-61.974,80.703) -61.778,79.314 ccw(c-61.875,79.65) -61.525,79.65 cw(c-61.071,79.65) -61.071,80.104 -59.245,80.104 ; -34.834,16.797 ccw(c-32.994,20.01) -30.96,16.916 cw(c-30.679,16.493) -30.681,17.001 -13.839,17.001 ccw(c-13.706,17.435) -13.706,16.981 -13.21,16.981 -12.764,16.981 ccw(c-12.764,17.489) -12.623,17.001 ccw(c-12.764,17.489) -12.256,17.489 D501.1@-12.256,17.935 -12.256,18.365 ccw(c-12.779,18.365) -12.482,18.796 ccw(c-12.779,18.365) -12.779,18.889 -20.701,18.889 cw(c-20.701,21.429) -23.241,21.429 -23.241,23.749 ccw(c-25.781,23.749) -25.781,26.289 -34.163,26.289 cw(c-34.163,28.829) -36.703,28.829 -36.703,37.338 cw(c-34.163,37.338) -34.163,39.878 -29.083,39.878 ccw(c-29.083,42.418) -26.543,42.418 -26.543,46.012 cw(c-26.035,46.01) -26.528,46.131 ccw(c-27.939,46.482) -26.528,46.833 cw(c-26.035,46.954) -26.543,46.952 -26.543,56.261 cw(c-24.003,56.261) -24.003,58.801 -11.811,58.801 cw(c-11.811,56.885) -9.895,56.885 ; D503.1@-11.071,75.95 ccw(c-10.178,75.95) -10.178,75.057 -5.207,75.057 cw(c-5.207,72.517) -2.667,72.517 -2.667,57.686 cw(c-5.207,57.686) -5.207,55.146 -9.441,55.146 cw(c-9.441,55.6) -9.546,55.158 cw(c-9.441,55.6) -9.895,55.6 -9.895,56.885 ; D502.1@-8.941,57.05 -9.73,57.05 ccw(c-9.73,56.885) -9.895,56.885 ; D508.1@-230.024,79.3 ccw(c-231.923,79.3) -231.923,81.199 -247.821,81.199 -247.821,81.272 ccw(c-248.587,81.272) -247.971,81.728 ccw(c-248.587,81.272) -248.132,81.889 ccw(c-248.587,81.272) -248.587,82.039 -252.902,82.039 ccw(c-254.26,80.335) -254.129,82.51 ccw(c-254.26,80.335) -254.253,82.514 ccw(c-254.26,80.335) -255.414,82.183 cw(c-255.72,82.677) -255.477,82.15 ccw(c-254.254,80.281) -255.833,81.86 -259.899,77.794 cw(c-261.695,79.59) -261.695,77.05 D509.1@-272.935,77.05 -272.935,77.619 ccw(c-273.485,77.619) -273.368,78.157 cw(c-273.31,80.335) -273.551,78.169 cw(c-273.31,80.335) -275.418,79.783 cw(c-273.31,80.335) -275.475,80.086 ccw(c-276.469,79.587) -275.605,80.288 ccw(c-276.469,79.587) -276.469,80.7 -279.53,80.7 cw(c-279.66,82.875) -279.79,80.7 -280.543,80.7 ccw(c-280.543,78.16) -283.083,78.16 -283.083,51.774 ccw(c-280.543,51.774) -280.543,49.234 D510.1@-275.899,49.234 cw(c-275.899,48.49) -275.155,48.49 -275.155,47.19 ccw(c-272.034,47.19) -272.034,44.069 -267.335,44.069 cw(c-267.335,41.529) -264.795,41.529 -264.795,28.067 cw(c-267.335,28.067) -267.335,25.527 -272.87,25.527 ccw(c-272.87,22.987) -275.41,22.987 -275.41,18.685 ccw(c-274.66,18.685) -274.66,17.935 D511.1@-274.456,17.935 -273.28,17.935 -273.28,17.585 ccw(c-272.826,17.585) -272.826,17.131 -271.612,17.131 ccw(c-271.612,17.612) -271.272,17.272 -270.838,17.706 cw(c-269.042,15.91) -269.042,18.45 D512.1@-232.154,18.45 ccw(c-231.357,18.45) -231.357,17.653 -230.603,17.653 ccw(c-230.524,18.1) -230.524,17.646 -212.862,17.646 ccw(c-212.862,18.068) -212.439,18.068 cw(c-209.174,17.47) -211.577,19.76 cw(c-209.174,17.47) -208.997,20.784 -199.839,20.784 ccw(c-199.841,21.292) -199.817,20.785 ; -199.817,20.785 cw(c-199.649,17.47) -199.649,20.789 ; -199.817,20.785 cw(c-199.649,17.47) -199.649,20.789 ; -59.245,80.104 cw(c-59.245,79.3) D504.1@-58.441,79.3 ccw(c-59.245,79.3) -59.245,80.104
VCC3V3: C301.2 C302.2 C303.2 C304.2 C305.2 C308.2 CON303.2 CON304.1 R303.1 U301.1 U301.9 U301.24 U301.36 U301.48 U304.2 | length 126.1
  Component Side w0.203: C305.2@-60.691,58.547 v1@-60.691,59.309 ; v1@-60.437,59.324 v1@-60.691,59.324 ; v1(-59.817,59.944) C304.2@-60.691,59.944 v1@-60.691,59.324 ; U301.48@-57.685,59.432 -57.989,59.736 -58.052,59.736 -58.265,59.522 cw(c-58.78,60.037) -58.78,59.309 v1(-60.579,59.309) v1@-60.691,59.309 ; U301.36@-51.889,63.582 -51.482,63.989 -51.482,64.224 cw(c-50.915,64.224) -51.316,64.625 -50.053,65.888 C303.2@-50.053,65.913 ccw(c-50.053,66.055) -49.911,66.055 v1(-49.911,66.802) ; U301.24@-48,57.607 ccw(c-46.389,59.218) -46.389,56.94 -44.675,56.94 C301.2@-44.592,57.023 ; CON304.1@-38.608,61.087 ccw(c-38.608,59.944) -39.751,59.944 R303.1@-39.751,57.8 -39.766,57.785 v1(-44.577,57.785) -44.577,56.911 C301.2@-44.592,56.896 ccw(c-42.582,56.896) -44.592,56.871 ccw(c-42.582,56.896) -42.607,54.886 ccw(c-42.582,56.896) -42.582,54.886 -33.019,54.886 cw(c-33.019,52.346) -30.68,53.336 cw(c-33.019,52.346) -30.479,52.346 CON303.2@-30.479,46.482 ; v1@-60.691,59.309 v1@-60.691,59.324 ; v1@-60.691,59.309 -60.706,59.324 v1@-60.691,59.324
  Component Side w0.254: v1(-60.579,54.61) -60.691,54.722 C302.2@-60.691,55.024 ; C302.2@-60.486,55.372 C302.2@-60.691,55.372 C302.2@-60.691,55.024 ; C305.2@-60.315,58.246 cw(c-60.448,55.505) -60.179,58.236 cw(c-60.448,55.505) -59.716,58.15 cw(c-60.448,55.505) -58.509,57.447 cw(c-59.951,56.002) -58.507,57.444 cw(c-59.951,56.002) -58.44,57.374 cw(c-59.951,56.002) -58.36,57.28 ccw(c-58.42,57.822) -58.035,57.437 U301.1@-57.864,57.607 ; -58.104,54.043 -58.078,54.016 -57.466,53.405 ccw(c-57.023,53.848) -57.023,53.221 ccw(c-57.023,54.258) -56.29,53.525 U301.9@-55.036,54.779 ; -58.104,54.043 ccw(c-60.203,51.943) -60.203,54.912 -60.579,54.912 C302.2@-60.691,55.024
  Component Side w0.5: v3(-45.421,64.556) ccw(c-45.171,64.556) -45.171,64.306 -42.501,64.306 ccw(c-42.501,66.167) -40.64,66.167 -40.64,66.512 cw(c-38.1,66.512) -39.896,68.308 -36.512,71.691 -33.873,74.242 U304.2@-33.848,74.492 -33.823,74.49 -33.8,74.49 cw(c-33.846,73.992) -33.516,74.368 ccw(c-33.02,74.93) -32.523,74.368 cw(c-32.194,73.992) -32.195,74.492 -32.046,74.492 ccw(c-32.046,74.534) C308.2@-32.004,74.534
  Bottom Layer w0.5: v3(-45.421,64.556) -46.612,64.556 cw(c-46.612,67.096) -48.409,65.3 v1(-49.911,66.802) -49.911,66.294 -50.736,65.468 cw(c-52.116,66.848) -52.116,64.897 -52.84,64.897 ccw(c-52.84,63.076) -54.127,64.364 -54.737,63.754 cw(c-56.27,65.287) -56.129,63.124 cw(c-56.27,65.287) -56.27,63.119 -61.932,63.119 ccw(c-61.932,61.678) -63.373,61.678 ccw(c-61.893,61.678) -61.893,60.198 -60.071,60.198 cw(c-60.071,59.944) v1(-59.817,59.944) -59.944,59.944 v1(-60.579,59.309) -60.579,54.737 ccw(c-58.293,54.737) -58.293,52.451 -54.8,52.451 ccw(c-54.8,54.991) -53.004,53.195 -52.083,54.116 -51.13,55.042 ccw(c-53.303,57.277) -51.098,55.074 -49.131,57.041 cw(c-47.335,55.245) -47.335,57.785 v1(-44.577,57.785)
pads on no net: CON301. CON301.A8 CON301.B8 CON304.0 CON304.6 D301.3 D301.4 D501.2 FID1.0 FID2.0 FID3.0 FID4.0 S201. S202. S203. S204. S205. S206. S207. S208. S209. S210. S211. S212. S213. S214. S215. S216. S217. S218. S219. S220. S221. S222. S223. S224. S225. S226. S227. S228. S229. S229_1. S230. S231. S232. S233. S234. S235. S236. S237. S238. S239. S240. S241. S242. S243. S245. S246. S247. S248. S249. S250. S251. S252. S253. S254. S256. S257. S258. S259. S259_1. S260. S261. S262. S263. S265. S266. S269. STAB1. STAB2. STAB3. STAB4. STAB5. STAB6. STAB7. U501. U501.M

## Polygon pours and split planes (outlines as drawn)
GND on Bottom Layer "Component Side-No Net" (hatched 45Degree grid 1.397 track 0.203, remove dead copper, pour order 4): -0.635,93.995 -0.635,0.65 -284.607,0.65 -284.607,93.995
GND on Component Side "Component Side-No Net" (hatched 45Degree grid 1.397 track 0.203, remove dead copper, pour order 5): -0.635,93.995 -0.635,0.65 -284.607,0.65 -284.607,93.995

## Other copper
Component Side:
  region net GND: 1746 vertices and 2 holes, not listed, extent -120.551,7.574 -114.639,13.714

## Silkscreen, mask and mechanical layers (free items; w line width, h text height)
Top Overlay:
  text "ENC" at -252.982,62.85 h0.75
  text "B" at -254.887,58.405 h0.75
  text "GND" at -252.982,58.405 h0.75
  text "A" at -249.553,58.405 h0.75
  text "BL/RESET" at -32.051,48.352 h0.75
  text "Waffling: adj. or verb - indecisive; unable to make up one's mind; playing the safe middle ground due to one's own lack of conviction or sense of morality." at -241.427,40.132 h2.9
  text "Waffling60  -E1" at -152.989,4.228 h3
  text "ANSI" at -138.938,3.175 h2
Bottom Overlay:
  text "< 10U" at -209.661,20.066 h1.52 r270
  text "< 7U" at -200.263,20.066 h1.52 r270
  text "< 3U" at -162.036,20.066 h1.52 r270
  text "< 7U" at -85.836,20.066 h1.52 r270
  text "< 10U" at -76.311,20.066 h1.52 r270
  text "< 3U" at -123.936,19.939 h1.52 r270
  text "< 3U" at -199.152,14.859 h1.52 r90
  text "< 3U" at -84.852,14.859 h1.52 r90
Top Solder:
  drawing of 2 lines, arcs and shapes, not listed
outline:
  lines w0.2: -284.861,36.576 -280.67,36.576 ccw(c-280.67,37.719) -279.527,37.719 -279.527,37.795 ccw(c-280.797,37.795) -280.797,39.065 -284.85,39.065 -284.85,92.415 cw(c-282.85,92.415) -282.85,94.415 -275.85,94.415 ccw(c-272.7,95.149) -269.55,94.415 -250.424,94.415 ccw(c-247.274,95.149) -244.124,94.415 -189.05,94.415 ccw(c-185.9,95.149) -182.75,94.415 -131.361,94.415 ccw(c-128.211,95.149) -125.061,94.415 -102.25,94.415 ccw(c-99.1,95.149) -95.95,94.415 -40.874,94.415 ccw(c-37.724,95.149) -34.574,94.415 -13.477,94.415 ccw(c-10.327,95.149) -7.177,94.415 ; -284.85,36.565 -284.85,2.215 ccw(c-282.85,2.215) -282.85,0.215 -275.85,0.215 cw(c-272.7,-0.52) -269.55,0.215 -236.137,0.215 cw(c-232.987,-0.52) -229.838,0.215 -189.05,0.215 cw(c-185.9,-0.52) -182.75,0.215 -102.25,0.215 cw(c-99.1,-0.52) -95.95,0.215 -55.161,0.215 cw(c-52.011,-0.52) -48.861,0.215 -15.45,0.215 cw(c-12.3,-0.52) -9.15,0.215 -2.15,0.215 ccw(c-2.15,2.215) -0.15,2.215 ccw(c-0.15,2.238) -0.127,2.238 -0.127,36.576 -4.191,36.576 cw(c-4.191,37.846) -5.461,37.846 cw(c-4.242,37.846) -4.242,39.065 -0.15,39.065 -0.15,92.415 ccw(c-2.15,92.415) -2.15,94.415 -7.15,94.415
Mechanical 15:
  lines w0.508: -246.452,16.393 cw(c-247.242,20.01) -246.657,16.354 ccw(c-246.576,15.853) -246.683,16.349 cw(c-246.938,17.543) -246.898,16.323 ccw(c-246.88,15.815) -246.927,16.321 ; -246.927,16.321 -246.927,16.321
Mechanical 16:
  drawing of 547 lines, arcs and shapes, not listed

## Dimensions
-9.15,0.215 to -2.15,94.415 on bot dimensions
-0.15,92.415 to -284.85,92.415 on bot dimensions
-9.15,0.215 to -7.177,94.415 on top dimensions
-0.15,92.415 to -284.85,92.415 on top dimensions

## Text inside footprints (layer, text, board x,y; h text height)
CON301: Mechanical 15 "connector edge" at -15.25,95.5 h1 r180